# Altium PCB Timingcard_PCB.PcbDoc (part 3 of 3) (continued)
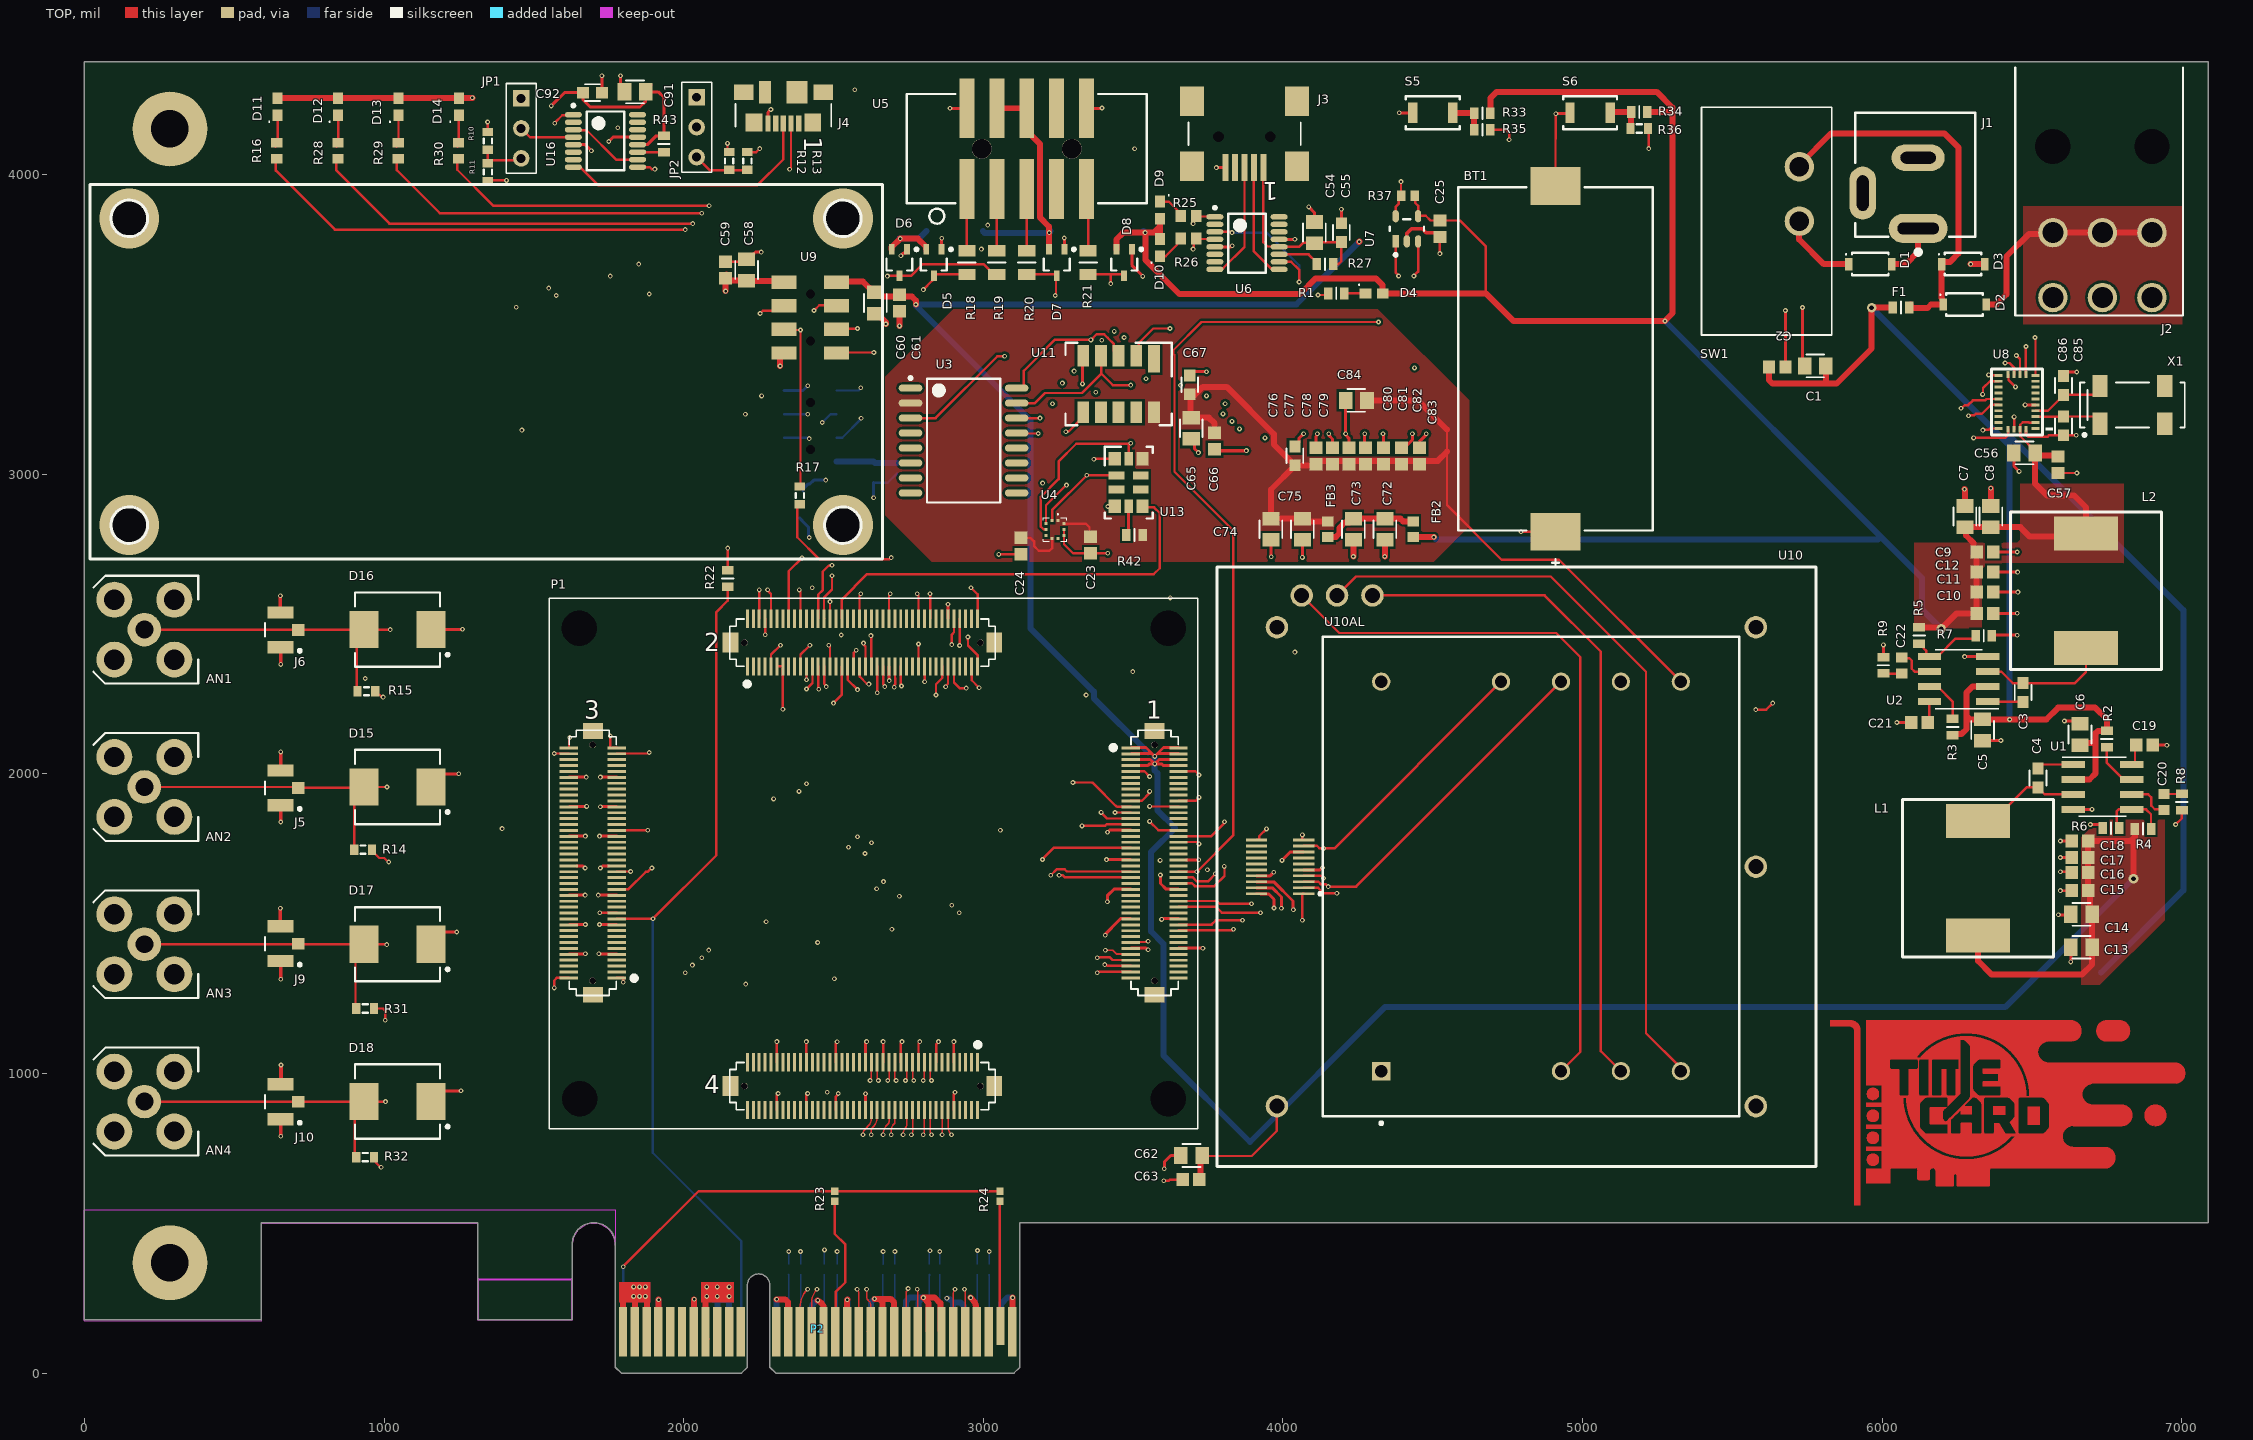
[diagram p0: TOP view]
## Nets (pads, with @x,y where several pads share a name; then routed paths per layer and width w, separated by ;. In a path a pad name is that pad's centre, name@x,y a point inside that pad or via, vN(x,y) a via of type N, cw(c..) or ccw(c..) an arc to the next point about the centre after c; other vN are vias at no path point) (continued)
  IN1 w5: v1(2413.39,279.53) 2421.89,279.53 cw(c2421.92,274.53) 2426.81,275.59 ccw(c2444.88,279.53) 2463.3,281.25 cw(c2468.28,281.71) 2464.73,285.24 2563.39,383.89 ccw(c2554.48,392.78) 2566.93,390.94 2566.93,802.55 cw(c2606.93,802.52) 2578.64,830.8 2608.85,861.01 ccw(c2530.46,939.41) 2641.33,939.41 2641.33,956.24 cw(c2669.59,956.24) 2649.61,976.23 v1(2649.61,976.38)
PCIE_RX1_N: P1.D-32 P2.B20 | length 892.1
  TOP w5: v1(2610.24,279.53) 2610.24,259.17 ccw(c2637.12,259.17) 2618.11,240.16 cw(c2603.85,225.9) 2624.02,225.9 P2.B20@2624.02,137.8 ; P2.B20@2612.84,139.94 ccw(c2653.68,139.94) P2.B20@2624.8,111.06 ; v1(2665.35,795.28) cw(c2712.88,795.28) 2679.26,828.87 ; 2679.27,828.88 2681.1,830.71 ccw(c2670.67,841.14) 2685.42,841.14 P1.D-32@2685.42,878.87
  IN1 w5: v1(2610.24,279.53) 2604.64,279.53 ccw(c2604.64,264.73) 2600.06,278.8 ccw(c2601.59,274.04) 2596.74,275.27 2596.72,275.19 cw(c2578.74,279.53) 2577.23,297.97 ccw(c2576.82,302.95) 2581.16,300.46 cw(c2620.76,277.78) 2583.32,303.88 ccw(c2579.22,306.74) 2584.08,305.54 2587.93,320.74 cw(c2604.91,316.53) 2589.47,324.77 ccw(c2585.06,327.12) 2590.06,327.12 2590.06,404.43 cw(c2595.06,404.43) 2590.08,404.83 cw(c2697.82,396.31) 2608.51,457.17 cw(c2699.5,406.62) 2625.9,480.23 2644.34,498.68 ccw(c2573.63,569.39) 2673.63,569.39 2673.63,775.14 ccw(c2645.37,775.14) 2665.35,795.13 v1(2665.35,795.28)
PCIE_RX1_P: P1.D-30 P2.B19 | length 879.8
  TOP w5: P2.B19@2575.84,134.22 ccw(c2608.58,134.22) P2.B19@2585.43,111.06 ; v1(2578.74,279.53) cw(c2564.48,265.27) 2584.65,265.27 P2.B19@2584.65,137.8 ; v1(2692.91,795.28) 2692.91,811.7 cw(c2719.8,811.7) 2700.79,830.71 ccw(c2690.35,841.15) 2705.11,841.15 P1.D-30@2705.11,878.87
  IN1 w5: v1(2578.74,279.53) ccw(c2521.71,336.56) 2591,295.28 ccw(c2521.71,336.56) 2592.43,297.78 2597.64,318.37 cw(c2604.91,316.53) 2604.91,324.03 2619.73,324.03 ccw(c2619.73,331.53) 2619.73,339.03 2607.56,339.03 cw(c2607.56,346.53) 2607.56,354.03 2616.09,354.03 ccw(c2616.09,361.53) 2616.09,369.03 2609.86,369.03 cw(c2609.86,376.53) 2602.36,376.53 2602.36,387.26 2602.36,389.76 2602.36,396.82 cw(c2709.57,396.73) 2633.76,472.54 2652.16,490.94 ccw(c2573.77,569.33) 2684.63,569.33 2684.63,775.14 cw(c2712.9,775.14) 2692.91,795.13 v1(2692.91,795.28)
PCIE_RX2_N: P1.D-20 P2.B24 | length 874.3
  TOP w5: P2.B24@2772.84,133.85 ccw(c2805.07,133.85) 2782.28,111.06 cw(c2783.34,112.13) P2.B24@2781.84,112.13 ; v1(2779.53,279.53) cw(c2774.78,274.78) 2781.5,274.78 P2.B24@2781.5,137.8 ; v1(2799.21,795.28) ccw(c2788.78,805.7) 2803.53,805.7 P1.D-20@2803.53,878.87
  IN1 w5: 2737.42,267.41 cw(c2799.54,327.61) 2713.04,327.55 cw(c2797.85,327.51) 2737.9,387.51 2787.4,437.01 ccw(c2738.9,485.51) 2807.49,485.51 2807.49,775.14 ccw(c2779.22,775.14) 2799.21,795.13 v1(2799.21,795.28) ; 2737.44,267.39 ccw(c2749.57,279.19) 2766.11,275.59 cw(c2770.99,274.53) 2771.03,279.53 v1(2779.53,279.53)
PCIE_RX2_P: P1.D-18 P2.B23 | length 859.3
  TOP w5: P2.B23@2740.84,113.13 2742.91,111.06 P2.B23@2745.84,113.99 ; P2.B23@2742.13,137.8 2742.13,265.27 cw(c2762.29,265.27) v1@2746.86,278.25 ; v1@2746.88,278.27 ccw(c2743.03,281.47) 2747.7,279.68 2748.36,281.41 cw(c2753.03,279.62) 2748.71,282.14 v1(2748.82,282.31) ; P1.D-18@2823.22,878.87 2823.22,803.84 ccw(c2835.34,803.84) v1(2826.77,795.28)
  IN1 w5: v1(2748.82,282.31) cw(c2753.03,285) 2748.03,285.01 2748.04,289.37 2748.04,291.87 2748.04,295.61 ccw(c2740.54,295.62) 2740.54,303.12 2733.91,303.12 cw(c2733.91,310.62) 2733.91,318.12 2750.55,318.12 ccw(c2750.55,325.62) 2750.55,333.12 2733.93,333.12 cw(c2733.93,340.62) 2733.93,348.12 2740.56,348.12 ccw(c2740.56,355.62) 2748.06,355.61 2748.07,377.55 2748.07,380.05 cw(c2753.07,380.05) 2749.54,383.59 2795.21,429.26 ccw(c2739.02,485.46) 2818.49,485.46 2818.49,775.14 cw(c2846.76,775.14) 2826.77,795.13 v1(2826.77,795.28)
PCIE_RX3_N: P1.D-25 P2.B28 | length 1133.8
  TOP w5: v1(2740.16,976.38) ccw(c2740.16,980.7) 2744.48,980.7 P1.D-25@2744.48,1038.31 ; P2.B28@2931.84,118.98 P2.B28@2939.76,111.06 ; v1(2937.01,279.53) cw(c2932.26,274.78) 2938.98,274.78 P2.B28@2938.98,137.8
  TOP w8: P2.B28@2928.98,161.94 ccw(c2963.12,161.94) P2.B28@2938.98,137.8
  IN1 w5: v1(2740.16,976.38) 2740.16,976.23 cw(c2720.17,956.24) 2748.44,956.24 2748.44,940.89 ccw(c2796.35,940.89) 2762.47,907.01 2781.86,887.63 ccw(c2860.28,966.05) 2860.28,855.14 2881.89,855.14 cw(c2881.89,819.08) 2907.39,844.58 cw(c2883.41,820.6) 2917.32,820.6 2917.32,419.2 2917.32,419.13 cw(c2882.98,419.22) 2912.71,402.03 cw(c2908.38,404.53) 2911.19,400.39 2911.14,400.36 ccw(c2943.67,352.53) 2885.83,352.6 ; 2885.83,352.55 2885.83,276.14 ccw(c2890.83,276.14) 2885.98,274.9 ccw(c2904.7,279.68) 2923.57,275.59 cw(c2928.46,274.53) 2928.49,279.53 v1(2937.01,279.53)
PCIE_RX3_P: P1.D-23 P2.B27 | length 1106.4
  TOP w5: P1.D-23@2764.16,1038.31 2764.16,979.93 ccw(c2767.72,979.93) v1(2767.72,976.38) ; P2.B27@2899.61,137.8 2899.61,265.27 cw(c2919.77,265.27) v1(2905.49,279.51) ; P2.B27@2900.39,111.06 P2.B27@2907.84,118.51
  IN1 w5: v1(2767.72,976.38) 2767.72,976.23 ccw(c2787.7,956.24) 2759.44,956.24 2759.44,940.94 ccw(c2796.48,940.94) 2770.29,914.75 2789.61,895.43 ccw(c2860.32,966.14) 2860.32,866.14 2881.94,866.14 cw(c2881.94,819.2) 2915.13,852.39 2925.1,842.42 cw(c2917.32,834.65) 2928.32,834.65 2928.32,404.5 cw(c2923.32,404.5) 2926.85,400.95 2926.43,400.53 2923.93,398.03 2910.58,384.69 2909.12,381.15 2909.12,366.94 ccw(c2916.62,366.94) 2916.62,359.44 cw(c2916.62,351.94) 2916.62,344.44 2903.33,344.44 ccw(c2903.33,336.94) 2903.33,329.44 2915.01,329.44 cw(c2915.01,321.94) 2915.01,314.44 2905.14,314.44 ccw(c2905.14,306.94) 2897.64,306.94 2897.64,291.94 2897.64,289.44 ccw(c2902.64,289.44) 2899.1,285.9 v1(2905.49,279.51)
PCIE_TX0_N: C47.2 P1.D-31 | length 873.7
  TOP w5: v1(2681.1,976.38) ccw(c2681.1,980.7) 2685.42,980.7 P1.D-31@2685.42,1038.31
  IN2 w5: 2478.24,390.21 2471.73,390.21 cw(c2471.73,436.75) 2425.2,436.75 2425.2,630.8 cw(c2565.72,630.77) 2466.35,730.13 2466.39,730.17 2476.38,740.16 2684.15,947.93 ccw(c2671.53,960.56) 2689.38,960.56 ccw(c2671.53,960.56) 2684.15,973.18 2681.1,976.23 v1(2681.1,976.38) ; 2478.28,390.21 2496.51,390.21 ccw(c2496.51,405.51) v1(2511.81,405.51)
  BOTTOM w5: C47.2@2511.81,363.02 v1(2511.81,405.51)
PCIE_TX0_P: C46.2 P1.D-29 | length 874.1
  TOP w5: P1.D-29@2705.11,1038.31 2705.11,979.93 ccw(c2708.66,979.93) v1(2708.66,976.38)
  IN2 w5: v1(2469.88,410.99) 2469.64,410.9 cw(c2464.35,427.3) 2453.16,414.19 2446.8,419.62 cw(c2450.2,423.71) 2444.88,423.76 2444.88,428.15 2444.88,445.65 cw(c2452.38,445.65) 2452.38,453.15 2458.83,453.15 ccw(c2458.83,460.65) 2458.83,468.15 2442.7,468.15 cw(c2442.7,475.65) 2442.7,483.15 2456.73,483.15 ccw(c2456.73,490.65) 2456.73,498.15 2452.38,498.15 cw(c2452.38,505.65) 2444.88,505.65 2444.88,562.01 2444.88,651.68 cw(c2544.88,651.68) 2474.17,722.39 2484.16,732.38 2693.54,941.77 ccw(c2677.03,958.28) 2700.38,958.28 cw(c2723.73,958.28) 2707.22,974.79 2708.66,976.23 v1(2708.66,976.38)
  BOTTOM w5: C46.2@2468.84,362.99 2468.5,363.33 2468.5,405.01 2468.53,407.62 cw(c2473.53,407.57) v1(2469.88,410.99) v1(2469.88,410.99)
PCIE_TX1_N: C49.2 P1.D-26 | length 616
  TOP w5: v1(2732.28,795.28) v1@2732.28,799.69 ; v1@2732.28,799.72 cw(c2759.58,799.72) 2740.28,819.02 ccw(c2730.13,829.17) 2744.48,829.17 P1.D-26@2744.48,878.87
  IN2 w5: v1(2704.72,405.51) ccw(c2719.1,420.06) 2734.06,406.11 ccw(c2719.1,420.06) 2735.36,407.65 ; v1(2732.28,795.28) 2732.28,795.13 cw(c2712.29,775.14) 2740.56,775.14 2740.56,543.45 2740.56,525.95 cw(c2733.06,525.95) 2733.06,518.45 2731.04,518.45 ccw(c2731.04,510.95) 2731.04,503.45 2734.06,503.45 cw(c2734.06,495.95) 2734.06,488.45 2732.22,488.45 ccw(c2732.22,480.95) 2732.22,473.45 2734.06,473.45 cw(c2734.06,465.95) 2734.06,458.45 2733.06,458.45 ccw(c2733.06,450.95) 2733.06,443.45 cw(c2733.06,435.95) 2740.56,435.95 2740.56,423.19 2736.05,408.61 cw(c2714.76,423.19) 2735.37,407.67
  BOTTOM w5: v1(2704.72,405.51) 2704.72,363.11 C49.2@2704.84,362.99
PCIE_TX1_P: C48.2 P1.D-24 | length 616.1
  TOP w5: v1(2759.84,795.28) ccw(c2749.41,805.7) 2764.16,805.7 P1.D-24@2764.16,878.87
  IN2 w5: v1(2665.35,405.51) 2671.5,399.36 ccw(c2707.67,435.44) 2735.09,392.34 ccw(c2715.99,422.35) 2751.56,422.35 ; 2751.56,422.4 2751.56,775.14 cw(c2779.83,775.14) 2759.84,795.13 v1(2759.84,795.28)
  BOTTOM w5: C48.2@2664.84,362.99 ccw(c2663.61,364.23) 2665.35,364.23 v1(2665.35,405.51)
PCIE_TX2_N: C51.2 P1.D-14 | length 614.9
  TOP w5: v1(2862.2,795.28) ccw(c2861.27,796.21) 2862.59,796.21 P1.D-14@2862.59,878.87
  IN2 w5: 2803.37,407.56 cw(c2833.1,409.1) 2811.93,430.04 2870.98,489.09 ccw(c2867.45,492.63) 2872.45,492.63 2872.45,770.53 ccw(c2837.46,770.53) v1(2862.2,795.28) ; 2803.37,407.52 ccw(c2825.13,408.85) 2809.69,393.46 ; 2809.72,393.43 ccw(c2825.34,409.29) 2840.51,393 ccw(c2837.11,396.67) 2842.11,396.67 2842.11,397.51 cw(c2848.02,397.51) 2843.84,401.68 cw(c2848.02,397.51) 2848.02,403.41 2849.25,403.41 ccw(c2849.25,410.59) v1(2854.33,405.51)
  BOTTOM w5: v1(2854.33,405.51) 2854.33,364.23 ccw(c2856.08,364.23) C51.2@2854.84,362.99
PCIE_TX2_P: C50.2 P1.D-12 | length 618.8
  TOP w5: P1.D-12@2882.27,878.87 2882.27,822.87 ccw(c2921.29,822.87) v1(2893.7,795.28)
  IN2 w5: v1(2821.98,407.85) 2821.78,407.85 2821.68,407.76 2819.75,407.76 2818.51,406.52 2816.64,411.31 2816.32,412.12 2817.44,417.47 2836.89,436.92 cw(c2842.2,431.62) 2847.5,436.92 2851.52,432.9 ccw(c2856.82,438.21) 2862.13,432.9 ccw(c2856.82,438.2) 2862.13,443.51 2856.14,449.5 cw(c2861.44,454.8) 2856.14,460.11 cw(c2861.44,454.8) 2866.74,460.11 2872.73,454.11 ccw(c2878.04,459.42) 2883.34,454.11 ccw(c2878.04,459.42) 2883.34,464.72 2879.32,468.74 cw(c2884.62,474.05) 2879.32,479.35 2881.09,481.12 2881.97,482 ; 2881.99,482.02 ccw(c2878.45,485.55) 2883.45,485.55 2883.45,509.18 2883.45,770.53 cw(c2918.44,770.53) v1(2893.7,795.28)
  BOTTOM w5: C50.2@2819.84,362.99 cw(c2822.12,365.27) 2818.9,365.27 2818.9,403.27 cw(c2823.9,403.23) v1(2821.98,407.85)
PCIE_TX3_N: C53.2 P1.D-19 | length 809
  TOP w5: v1(2799.21,976.38) ccw(c2799.21,980.7) 2803.53,980.7 2803.53,1038.31 P1.D-19@2803.84,1038
  IN2 w5: v1(2799.21,976.38) 2799.21,976.23 2800.65,974.79 cw(c2784.14,958.28) 2807.49,958.28 ccw(c2830.84,958.28) 2814.33,941.77 2895.91,860.19 cw(c2825.2,789.48) 2925.2,789.48 2925.2,470.02 ccw(c3025.94,469.83) 2953.48,399.84 ccw(c2957.08,403.31) 2953.61,399.71 2953.99,399.35 ccw(c2982.84,445.03) 2954.46,399.05 ccw(c2982.84,445.03) 2974.1,391.71 cw(c2973.29,386.77) 2974.81,391.54 ccw(c2980.46,409.15) 2983.72,390.94 cw(c2984.61,386.02) 2984.46,391.02 ccw(c2982.84,445.03) v1(3019.69,405.51)
  BOTTOM w5: v1(3019.69,405.51) 3019.69,363.15 C53.2@3019.84,362.99
PCIE_TX3_P: C52.2 P1.D-17 | length 810
  TOP w5: P1.D-17@2823.22,1038.31 2823.22,979.93 ccw(c2826.77,979.93) v1(2826.77,976.38)
  IN2 w5: v1(2826.77,976.38) 2826.77,976.23 2823.72,973.18 ccw(c2836.34,960.56) 2818.49,960.56 ccw(c2836.34,960.56) 2823.72,947.93 2917.32,854.33 cw(c2871.76,808.76) 2936.2,808.76 2936.2,498.39 2937.1,495.89 2938.02,493.34 ccw(c2945.07,495.89) 2945.07,488.39 2955.12,488.39 cw(c2955.12,480.89) 2955.12,473.39 2945.22,473.39 ccw(c2945.22,465.89) 2945.22,458.39 2966.74,458.39 cw(c2966.74,450.89) 2966.74,443.39 ccw(c2966.74,435.89) 2959.69,433.34 2962.9,424.43 2975.63,412.36 ccw(c3015.52,467.17) 2979.31,409.86 ccw(c3015.52,467.17) v1(2980.46,409.15)
  BOTTOM w5: C52.2@2979.84,362.99 ccw(c2978.7,364.13) 2980.31,364.13 2980.31,407.97 cw(c2985.31,407.97) 2980.39,408.85 v1(2980.46,409.15)
PRSNT: P2.A1 R23.1 R24.1 | length 1586.2
  TOP w8: v1(1797.84,355.06) 2050.06,607.28 R23.1@2503.94,607.28 R24.1@3055.12,607.28
  BOTTOM w8: P2.A1@1798.03,130.56 v1@1798.03,355.06
RTC_MFP: P1.C-51 U3.3 | length 3273
  TOP w8: P1.C-51@1776.55,1811.8 v1(1879.94,1811.8) v1@1882.68,1809.06 ; U3.3@2756.89,3187.2 2840.75,3187.2 3046.87,3393.32 3070.49,3393.32 v1(3070.87,3393.7)
  IN1 w8: v1(1879.94,1811.8) v1(3056.88,1811.8)
  IN2 w8: v1(3056.88,1811.8) 3056.88,2226.17 3072.83,2242.13 3072.83,3386.08 3072.4,3386.51 3072.4,3392.17 v1(3070.87,3393.7)
SCK: P1.A-25 U8.19 | length 4899.8
  TOP w8: v1(3392.84,1871.06) 3412.97,1850.94 3491.83,1850.94 P1.A-25@3492.02,1851.13 ; U8.19@6479.37,3332.11 6479.37,3425.59 v1(6479.84,3426.06)
  IN1 w8: v1(3437.01,3476.38) 3437.53,3475.86 3437.53,3456.38 3457.84,3436.06 6469.84,3436.06 v1(6479.84,3426.06)
  IN2 w8: v1(3392.84,1871.06) 3392.84,1945.79 cw(c3400.84,1945.75) 3395.16,1951.38 3434.51,1990.73 ccw(c3428.84,1996.38) 3436.84,1996.38 3436.84,3476.21 v1(3437.01,3476.38)
SCL: P1.B-67 U3.16 U4.2 U7.1 U11.3 U13.2 | length 3833.8
  TOP w8: v1(2841.84,2263.06) 2841.84,2299.06 2862.58,2319.8 P1.B-67@2862.58,2358.81 ; U3.16@3111.22,3287.2 3127.56,3287.2 3134.78,3294.42 3134.78,3344.43 3239.17,3448.82 3358.09,3448.82 v1(3358.84,3448.06) 3377.84,3467.06 3403.13,3467.06 3414.84,3455.35 3414.84,3455.24 3435.54,3434.54 3435.54,3410.88 U11.3@3451.22,3395.2 ; U4.2@3229.33,2845 3229.33,2880.55 v1(3344.84,2996.06) 3345.22,2995.69 U13.2@3444.49,2995.69 ; U7.1@4375.98,3776.92 4375.98,3673.42 4385.83,3663.58 v1(4385.83,3661.42)
  IN1 w8: v1(2841.84,2263.06) v1(3342.84,2263.06) ; v1(3358.84,3448.06) 3358.27,3448.64 3358.27,3472.44 3409.45,3523.62 4070.87,3523.62 4208.66,3661.42 v1(4385.83,3661.42)
  IN2 w8: v1(3342.84,2263.06) 3344.84,2265.06 v1(3344.84,2996.06) 3344.84,3286.78 3358.84,3300.78 v1(3358.84,3448.06)
SDA: P1.B-61 U3.15 U4.4 U7.3 U11.4 U13.10 | length 4204.6
  TOP w8: P1.B-61@2803.52,2358.81 2803.84,2358.49 v1(2803.84,2307.06) ; U3.15@3111.22,3237.2 3172.24,3237.2 3205.71,3270.67 3328.74,3270.67 3390.75,3332.68 ; U4.4@3209.17,2814.96 3208.25,2815.88 3200.63,2815.88 3191.76,2824.75 3191.76,2924.04 3250.98,2983.27 3250.98,3042.32 3310.04,3101.38 v1@3487.99,3101.38 ; U11.4@3392.17,3395.2 3393.46,3393.91 3393.46,3335.46 3431.85,3297.06 v1(3491.84,3297.06) ; U13.10@3484.84,3051.79 3484.84,3094.38 v1@3491.84,3101.38 ; v1(4437.01,3661.42) 4437.01,3662.14 4450.79,3675.92 U7.3@4450.79,3776.92
  IN1 w8: v1(2803.84,2307.06) 2837.84,2341.06 v1(3498.84,2341.06) ; v1(3491.84,3297.06) 3533.36,3338.58 3704.93,3338.58 3732.49,3366.14 4078.84,3366.14 4090.46,3354.53 v1(4438.98,3354.53)
  IN2 w8: v1(3491.84,3297.06) 3492.84,3296.06 3492.84,2357.06 3501.84,2348.06 3497.84,2344.06 3499.84,2342.06 v1(3498.84,2341.06) ; v1(4437.01,3661.42) 4437.01,3378.53 4438.98,3376.56 v1(4438.98,3354.53)
  other v1: 3491.84,3103.06
UART1_RXD: P1.B-77 R25.1 U6.1 | length 2440.9
  TOP w8: P1.B-77@2961,2358.81 2961,2311.9 v1(2985.84,2287.06) ; v1(3699.84,3836.06) 3701.57,3837.8 3701.57,3861.06 3702.82,3859.81 3771.31,3859.81 U6.1@3772.56,3858.56
  IN1 w8: v1(3014.84,3831.06) 3014.84,3831.38 3019.53,3836.06 v1(3699.84,3836.06)
  IN2 w8: v1(2985.84,2287.06) 3013.36,2314.58 3013.36,2603.79 2998.84,2618.31 2998.84,2972.25 3021.84,2995.25 3021.84,3821.9 3014.84,3828.9 v1(3014.84,3831.06)
UART1_TXD: P1.B-71 R26.1 U6.4 | length 2409.5
  TOP w8: P1.B-71@2901.95,2358.81 2901.95,2304.95 2920.84,2286.06 v1(2942.84,2286.06) ; v1(3699.84,3751.06) 3701.57,3752.8 3701.57,3786.06 3702.82,3784.81 3771.31,3784.81 U6.4@3772.56,3783.56
  IN1 w8: v1(2993.39,3751.06) v1(3699.84,3751.06)
  IN2 w8: v1(2942.84,2286.06) 2955.56,2286.06 2962.22,2292.72 ccw(c2956.57,2298.38) 2964.57,2298.38 2964.57,2441.54 cw(c2972.57,2441.54) 2966.91,2447.2 2979.84,2460.13 2979.84,2971.63 2993.39,2985.17 v1(2993.39,3751.06)
pads on no net: J2.0 J3.0 J3.4 J4.0 J4.1 J4.4 P1.A-11 P1.A-12 P1.A-13 P1.A-14 P1.A-15 P1.A-16 P1.A-17 P1.A-18 P1.A-24 P1.A-26 P1.A-28 P1.A-31 P1.A-33 P1.A-36 P1.A-37 P1.A-38 P1.A-41 P1.A-42 P1.A-47 P1.A-51 P1.A-52 P1.A-53 P1.A-55 P1.A-57 P1.A-58 P1.A-61 P1.A-63 P1.A-65 P1.A-66 P1.A-68 P1.A-72 P1.A-74 P1.A-76 P1.A-78 P1.A-79 P1.A-80 P1.A-81 P1.A-82 P1.A-83 P1.A-84 P1.B-1 P1.B-2 P1.B-3 P1.B-4 P1.B-5 P1.B-7 P1.B-12 P1.B-14 P1.B-15 P1.B-17 P1.B-18 P1.B-22 P1.B-24 P1.B-31 P1.B-32 P1.B-36 P1.B-38 P1.B-42 P1.B-44 P1.B-46 P1.B-48 P1.B-52 P1.B-54 P1.B-55 P1.B-56 P1.B-57 P1.B-58 P1.B-62 P1.B-63 P1.B-65 P1.B-66 P1.B-68 P1.B-73 P1.B-75 P1.B-76 P1.B-78 P1.B-81 P1.B-82 P1.B-83 P1.B-84 P1.C-3 P1.C-4 P1.C-5 P1.C-6 P1.C-7 P1.C-8 P1.C-11 P1.C-12 P1.C-13 P1.C-14 P1.C-15 P1.C-16 P1.C-17 P1.C-18 P1.C-22 P1.C-24 P1.C-25 P1.C-26 P1.C-27 P1.C-28 P1.C-32 P1.C-33 P1.C-34 P1.C-35 P1.C-36 P1.C-38 P1.C-41 P1.C-42 P1.C-43 P1.C-44 P1.C-45 P1.C-46 P1.C-47 P1.C-48 P1.C-52 P1.C-53 P1.C-54 P1.C-55 P1.C-56 P1.C-57 P1.C-58 P1.C-61 P1.C-62 P1.C-63 P1.C-64 P1.C-65 P1.C-66 P1.C-67 P1.C-68 P1.C-71 P1.C-72 P1.C-73 P1.C-74 P1.C-75 P1.C-76 P1.C-81 P1.C-82 P1.C-83 P1.C-84 P1.D-1 P1.D-2 P1.D-3 P1.D-4 P1.D-5 P1.D-6 P1.D-7 P1.D-8 P1.D-11 P1.D-13 P1.D-16 P1.D-22 P1.D-28 P1.D-34 P1.D-41 P1.D-42 P1.D-43 P1.D-44 P1.D-45 P1.D-46 P1.D-47 P1.D-48 P1.D-51 P1.D-52 P1.D-53 P1.D-54 P1.D-55 P1.D-56 P1.D-57 P1.D-58 P1.D-61 P1.D-62 P1.D-63 P1.D-64 P1.D-65 P1.D-66 P1.D-67 P1.D-68 P1.D-71 P1.D-72 P1.D-73 P1.D-74 P1.D-75 P1.D-76 P1.D-77 P1.D-78 P1.D-79 P1.D-80 P1.D-81 P1.D-82 P1.D-83 P1.D-84 P1.MNT-1 P1.MNT-2 P1.MNT-3 P1.MNT-4 P2.A5 P2.A6 P2.A7 P2.A8 P2.A19 P2.A32 P2.B5 P2.B6 P2.B9 P2.B10 P2.B11 P2.B12 P2.B30 U3.1 U3.4 U3.5 U3.6 U3.7 U3.8 U3.9 U3.10 U3.11 U3.12 U4.5 U4.7 U5. U5.7 U5.8 U6.2 U6.6 U6.7 U6.14 U6.15 U6.16 U8.1 U8.7 U8.8 U8.9 U8.12 U8.13 U8.21 U8.22 U8.23 U8.24 U9.0 U10.10 U10.11 U10.12 U10.13 U10.14 U10.16 U10.18 U10AL.1 U11.1 U11.7 U11.8 U11.9 U13.3 U13.7 U13.8 U14.0 U16.2 U16.6 U16.7 U16.14 U16.15 U16.16 X1.2 X1.3

## Polygon pours and split planes (outlines as drawn)
+5.0V on BOTTOM "+5.0V_L06_P012" (solid, pour order 12): 6934.84,1871.06 4154.84,1871.06 3824.84,2201.06 3824.84,3146.06 4349.84,3671.06 4349.84,3841.06 4349.84,4341.06 1355.84,4341.06 1355.84,3040.06 3784.84,611.06 6329.84,611.06 6934.84,1216.06
+3.3V on BOTTOM "+3.3V_L06_P011" (solid, pour order 11): 6504.84,2576.06 6304.84,2376.06 4639.84,2376.06 4349.84,2666.06 4349.84,3781.06 4184.84,3946.06 4064.84,3946.06 3804.84,3686.06 2709.84,3686.06 2349.84,3326.06 2349.84,2718.06 2014.84,2718.06 2014.84,4116.06 2014.84,4326.06 6329.84,4326.06 6504.84,4151.06
+12V on BOTTOM "+12V_L06_P010" (solid, pour order 10): 5989.84,3711.06 5879.84,3601.06 5879.84,3451.06 6334.84,2996.06 6334.84,2156.06 6409.84,2081.06 6819.84,2081.06 6909.84,1991.06 6909.84,1646.06 6589.84,1326.06 6589.84,1241.06 6649.84,1181.06 6779.84,1181.06 7087.6,1488.82 7087.6,3643.31 7024.84,3706.06
+3.3V_CLEAN on TOP "+3.3V_CLEAN_L01_P008" (solid, remove dead copper, pour order 8): 4620.84,3246.06 4620.84,2826.06 4502.84,2708.06 2827.84,2708.06 2672.84,2863.06 2672.84,3325.06 2898.84,3551.06 4315.84,3551.06
+5.0V on TOP "TOP-+5.0V" (solid, pour order 26): 6942.91,1846.46 6722.44,1846.46 6663.39,1787.4 6663.39,1295.28 6726.38,1295.28 6942.91,1511.81
+3.3V on TOP "TOP-+3.3V" (solid, pour order 24): 6805.12,2968.5 6460.63,2968.5 6460.63,2781.5 6450.79,2771.65 6106.3,2771.65 6106.3,2476.38 6116.14,2486.22 6332.68,2486.22 6332.68,2683.07 6352.36,2702.76 6805.12,2702.76
NetD2_2 on TOP "TOP-NetD2_2" (solid, pour order 20): 7001.97,3893.7 6470.47,3893.7 6470.47,3500 7001.97,3500
GND on SGND "GND_L02_P016" (solid, pour order 16): 581.84,188.06 581.84,512.06 1321.84,512.06 1321.84,188.06 1618.84,188.06 1618.84,470.06 1663.84,515.06 1735.84,515.06 1781.84,469.06 1781.84,21.06 1792.84,10.06 2190.84,10.06 2202.84,22.06 2202.84,314.06 2234.84,346.06 2262.84,346.06 2294.84,314.06 2294.84,21.06 2307.84,8.06 3100.84,8.06 3114.84,22.06 3114.84,509.06 7078.74,509.06 7078.74,4366.14 19.92,4366.14 7.84,4354.06 7.84,188.06
GND on SGND1 "GND_L05_P018" (solid, pour order 18): 576.92,184.13 576.92,508.13 1316.92,508.13 1316.92,184.13 1613.92,184.13 1613.92,466.13 1658.92,511.13 1730.92,511.13 1776.92,465.13 1776.92,17.13 1787.92,6.13 2185.92,6.13 2197.92,18.13 2197.92,310.13 2229.92,342.13 2257.92,342.13 2289.92,310.13 2289.92,17.13 2302.92,4.13 3095.92,4.13 3109.92,18.13 3109.92,505.13 7082.68,505.13 7082.68,4353.13 5.92,4353.13 2.92,4350.13 2.92,184.13

## Keep-outs
TOP:
  region: 0,175.18 590.55,175.18 ccw(c590.55,177.17) 592.53,177.17 592.53,499.98 1311.01,499.98 1311.01,312.99 ccw(c1312.99,312.99) 1312.99,311.01 1627.95,311.01 ccw(c1627.95,312.99) 1629.94,312.99 ccw(c1627.95,312.99) 1629.94,313.01 1629.94,430.12 cw(c1699.8,430.12) 1769.67,430.12 ccw(c1771.65,430.12) 1773.64,430.12 1773.64,541.34 ccw(c1771.65,541.34) 1771.65,543.32 0,543.32 ccw(c0,541.34) -1.98,541.34 -1.98,177.17 ccw(c0,177.17)
BOTTOM:
  region: 0,175.18 590.55,175.18 ccw(c590.55,177.17) 592.53,177.17 592.53,499.98 1311.01,499.98 1311.01,312.99 ccw(c1312.99,312.99) 1312.99,311.01 1627.95,311.01 ccw(c1627.95,312.99) 1629.94,312.99 ccw(c1627.95,312.99) 1629.94,313.01 1629.94,430.12 cw(c1699.8,430.12) 1769.67,430.12 ccw(c1771.65,430.12) 1773.64,430.12 1773.64,541.34 ccw(c1771.65,541.34) 1771.65,543.32 0,543.32 ccw(c0,541.34) -1.98,541.34 -1.98,177.17 ccw(c0,177.17)
Keep-Out Layer:
  rectangle: 1312.99,177.17 1627.95,312.99

## Other copper
TOP:
  rectangle net +3.3V_PCIE: 2057.09,236.22 2167.52,303.15
  rectangle net +12V_PCIE: 1783.46,235.24 1888.78,303.15
  region: 3193 vertices and 11 holes, not listed, extent 5946.39,623.36 7010.87,1177.5
  region: 2340 vertices and 0 holes, not listed, extent 5825.83,559.57 5926.38,1177.5
  region: 239 vertices and 0 holes, not listed, extent 5948.55,910.97 5989.09,951.52
  region: 239 vertices and 0 holes, not listed, extent 5948.55,837.99 5989.09,878.53
  region: 239 vertices and 0 holes, not listed, extent 5948.55,765 5989.09,805.55
  region: 235 vertices and 0 holes, not listed, extent 5948.55,692.02 5989.09,732.02
  region: 6410.24,889.89 6410.24,889.35 6410.24,888.8 6410.24,888.26 6410.24,887.72 6410.24,887.18 6410.24,886.64 6410.24,886.1 6410.24,885.56 6410.24,885.02 6410.24,884.48 6410.24,883.94 6410.24,883.4 6410.24,882.86 6410.24,882.32 6410.24,881.78 6410.24,881.24 6410.24,880.7 6410.24,880.15 6410.24,879.61 6410.24,879.07 6410.24,878.53 6410.24,877.99 6410.24,877.45 6410.24,876.91 6410.24,876.37 6410.24,875.83 6410.24,875.29 6410.24,874.75 6410.24,874.21 6410.24,873.67 6410.24,873.13 6410.24,872.59 6410.24,872.05 6410.24,871.5 6410.24,870.96 6410.24,870.42 6410.24,869.88 6410.24,869.34 6410.24,868.8 6410.24,868.26 6410.24,867.72 6410.24,867.18 6410.24,866.64 6410.24,866.1 6410.24,865.56 6410.24,865.02 6410.24,864.48 6410.24,863.94 6410.24,863.4 6410.24,862.85 6410.24,862.31 6410.24,861.77 6369.69,861.77 6369.69,862.31 6369.69,862.85 6369.69,863.4 6369.69,863.94 6369.69,864.48 6369.69,865.02 6369.69,865.56 6369.69,866.1 6369.69,866.64 6369.69,867.18 6369.69,867.72 6369.69,868.26 6369.69,868.8 6369.69,869.34 6369.69,869.88 6369.69,870.42 6369.69,870.96 6369.69,871.5 6369.69,872.05 6369.69,872.59 6369.69,873.13 6369.69,873.67 6369.69,874.21 6369.69,874.75 6369.69,875.29 6369.69,875.83 6369.69,876.37 6369.69,876.91 6369.69,877.45 6369.69,877.99 6369.69,878.53 6369.69,879.07 6369.69,879.61 6369.69,880.15 6369.69,880.7 6369.69,881.24 6369.69,881.78 6369.69,882.32 6369.69,882.86 6369.69,883.4 6369.69,883.94 6369.69,884.48 6369.69,885.02 6369.69,885.56 6369.69,886.1 6369.69,886.64 6369.69,887.18 6369.69,887.72 6369.69,888.26 6369.69,888.8 6369.69,889.35 6369.69,889.89 6369.69,890.43 6410.24,890.43
  region: 237 vertices and 0 holes, not listed, extent 6485.92,828.8 6525.39,889.35
  region: 423 vertices and 0 holes, not listed, extent 6714.61,1106.67 6827.06,1177.5
  region: 426 vertices and 0 holes, not listed, extent 6875.71,824.47 6947.61,895.29
SGND:
  pour cut-out: 1765.75,-13.78 1765.75,225.39 3133.86,225.39 3133.86,-23.62
SGND1:
  pour cut-out: 1765.75,-13.78 1765.75,225.39 3133.86,225.39 3133.86,-23.62
BOTTOM:
  rectangle net +3.3V_PCIE: 2093.7,234.57 2167.52,302.48
  rectangle net +12V_PCIE: 1814.96,235.24 1888.78,303.15

## Silkscreen, mask and mechanical layers (free items; w line width, h text height)
Bottom Overlay:
  rectangle: 5354.33,590.55 6744.09,807.09
  text "SN" at 7007.87,590.55 h150
Top Solder:
  rectangle: 1312.99,177.17 1627.95,312.99
  rectangle: 1769.68,-3.94 3124.02,226.38
Bottom Solder:
  rectangle: 1312.99,177.17 1627.95,312.99
  rectangle: 1769.68,-3.94 3124.02,226.38
Mechanical 1:
  the board outline again, w3.94
OUTLINE:
  lines w1: -0.12,177.91 590.88,177.91 590.88,502.91
  lines w3.94: -0.43,178.12 590.12,178.12 590.12,502.92 1312.56,502.92 1312.56,313.94 1627.52,313.94 1627.52,431.07 cw(c1699.37,431.07) 1771.22,431.07
DRAWING_ORIGIN:
  lines w1: -25.12,177.91 24.88,177.91 ; -0.12,152.91 -0.12,202.91
ASSEMBLY_BOTTOM:
  text "U*" at 6953.14,4207.92 h25
  text "U*" at 588,4193.58 h25

## Text inside footprints (layer, text, board x,y; h text height)
J3: Top Overlay "1" at 3984.45,3973.7 h60 r180
J4: Top Overlay "1" at 2402.57,4126.64 h60 r270
P1: Top Overlay "1" at 3543.04,2183.62 h60; Top Overlay "2" at 2068.04,2408.62 h60; Top Overlay "3" at 1668.04,2183.62 h60; Top Overlay "4" at 2068.04,933.62 h60